# Altium PCB STB_LightBoard.PcbDoc (part 17 of 31)
Units mm, origin at the board's own origin, x right, y up, seen from the top; angles counter-clockwise.
Board outline 348 x 348 mm, 2 copper layers (Top Layer, Bottom Layer), stack 1.672 mm thick; 3807 components, 3391 nets, 11616 pads, 2553 vias.
Unrouted connection lines stored in the file: 68.
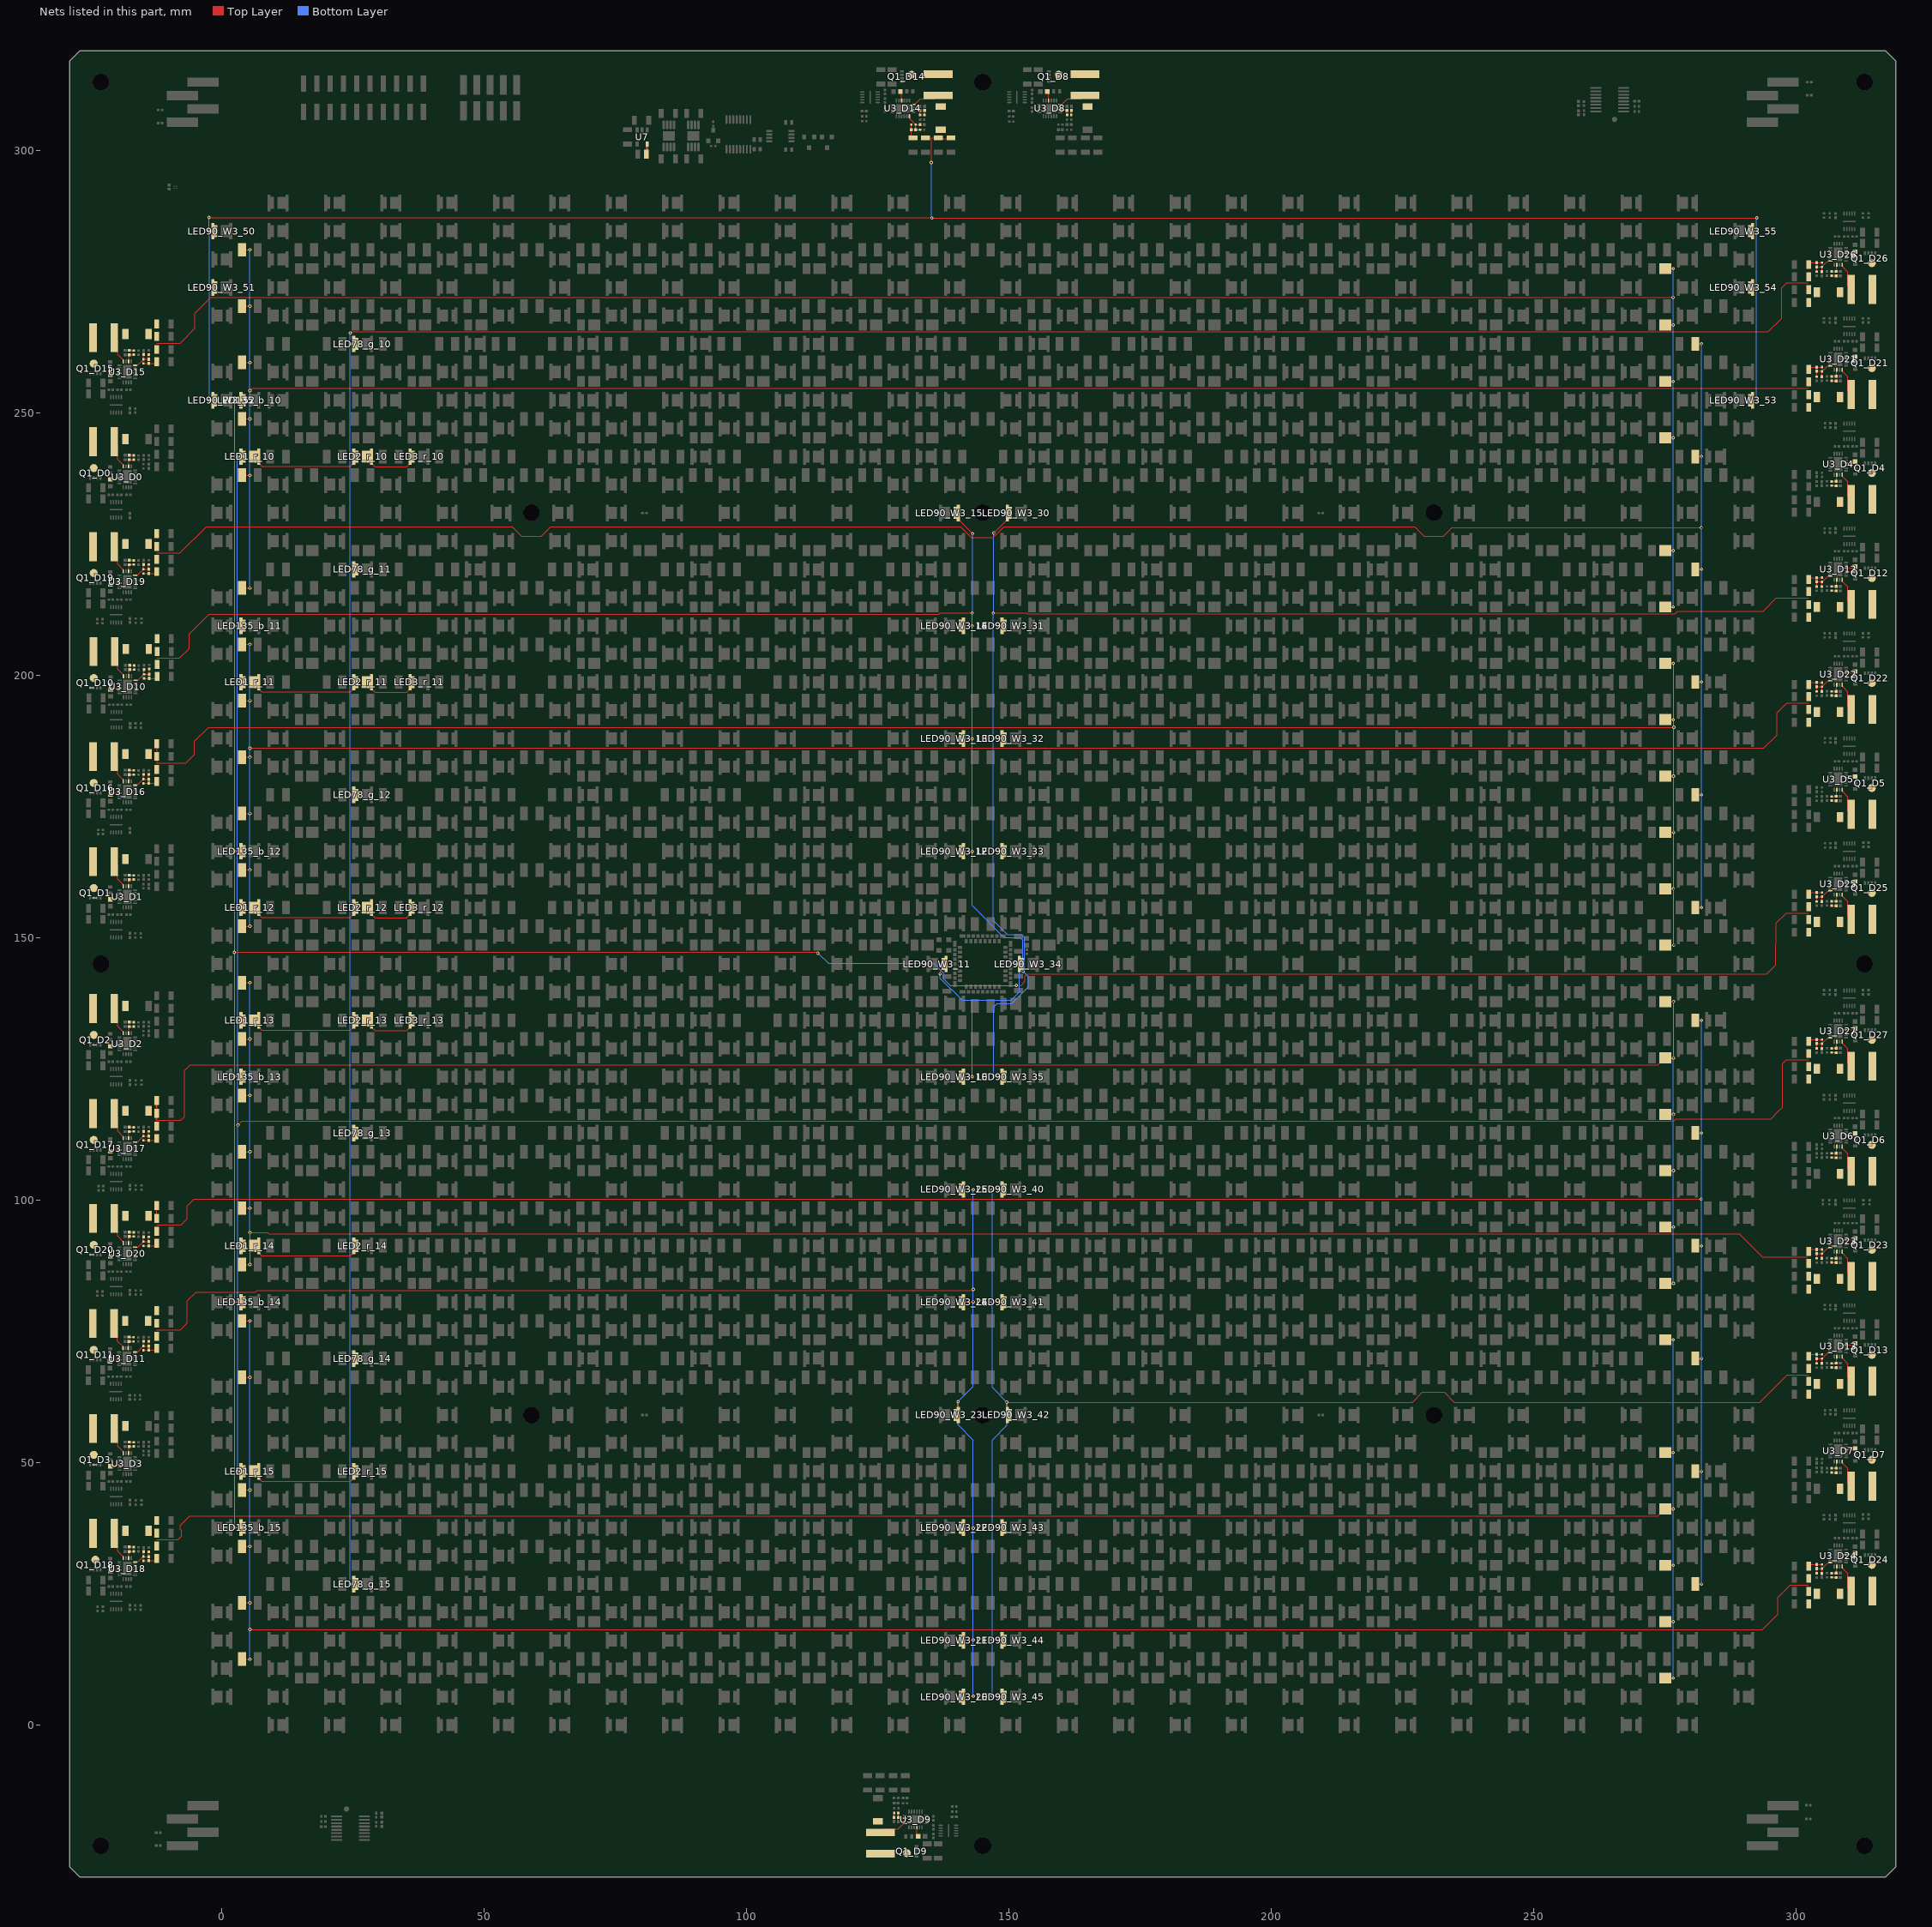
[diagram p17: the nets of this part, all layers, seen from the top]

## Via types
v1: diameter 0.604, hole 0.3, Top Layer to Bottom Layer, tented both sides, 2553 vias

## Nets (pads, with @x,y where several pads share a name; then routed paths per layer and width w, separated by ;. In a path a pad name is that pad's centre, name@x,y a point inside that pad or via, vN(x,y) a via of type N, cw(c..) or ccw(c..) an arc to the next point about the centre after c; other vN are vias at no path point) (continued)
NetC7_D10_1: C7_D10.1 C12_D10.2 R54_D10.1 R55_D10.1 U3_D10.16 | length 5.2
  Top Layer w0.2: U3_D10.16@-16.442,199.05 -16.429,199.063 -15.968,199.063 -14.956,200.075 -14.925,200.075 R54_D10.1@-14.8,200.2 ; C12_D10.2@-14.755,201.155 C12_D10.2@-14.8,201.11 R54_D10.1@-14.8,200.2 ; R55_D10.1@-13.845,201.155 R55_D10.1@-13.8,201.2 C7_D10.1@-13.8,200.19 -13.805,200.195 -14.795,200.195 R54_D10.1@-14.8,200.2
NetC7_D10_2: C7_D10.2 C8_D10.1 C9_D10.1 C10_D10.1 C11_D10.1 D1_D10.1 LED90_W3_10.2 LED90_W3_11.2 LED90_W3_12.2 LED90_W3_13.2 LED90_W3_14.2 LED90_W3_15.2 R54_D10.2 | length 306.6
  Top Layer w0.2: R54_D10.2@-14.8,199.4 -12.66,199.4 C8_D10.1@-12.307,199.753 ; -12.344,203.286 -8.014,203.286 -6.185,205.115 -6.185,207.854 -2.447,211.592 7.494,211.592 7.564,211.662 136.647,211.662 136.839,211.853 v1(143,211.853) ; C11_D10.1@-12.307,206.953 C11_D10.1@-12.307,207.341 ; v1(136.864,143.103) 136.941,143.181 136.941,143.633 137.443,144.135 LED90_W3_11.2@137.443,144.99 ; LED90_W3_15.2@139.743,230.91 139.938,230.715 140.133,230.715 140.333,230.515 140.333,229.435 140.616,229.435 v1(143.09,226.961) ; LED90_W3_10.2@140.743,123.51 LED90_W3_10.2@141.333,123.51 141.343,123.5 v1(143,123.5) ; LED90_W3_12.2@140.743,166.47 LED90_W3_12.2@141.333,166.47 141.403,166.4 v1(143,166.4) ; LED90_W3_13.2@140.743,187.95 LED90_W3_13.2@141.333,187.95 141.383,187.9 v1(143,187.9) ; LED90_W3_14.2@140.743,209.43 LED90_W3_14.2@141.333,209.43 141.363,209.4 v1(143,209.4)
  Bottom Layer w0.2: v1(136.864,143.103) 136.91,143.057 136.91,142.263 141.081,138.093 142.983,138.093 143.017,138.126 150.426,138.126 151.982,139.682 151.982,143.886 152.647,144.551 152.647,149.494 152.08,150.061 149.064,150.061 143,156.124 v1(143,166.4) v1(143,187.9) v1(143,209.4) v1(143,211.853) 143.045,211.898 143.045,226.916 v1(143.09,226.961) ; v1@142.995,123.505 142.995,138.056
NetC7_D11_1: C7_D11.1 C12_D11.2 R54_D11.1 R55_D11.1 U3_D11.16 | length 4.8
  Top Layer w0.2: U3_D11.16@-16.542,71.05 -16.537,71.055 -16.061,71.055 -15.041,72.075 -15.025,72.075 R54_D11.1@-14.992,72.108 ; C12_D11.2@-14.9,73.11 R54_D11.1@-14.9,72.2 -14.895,72.195 -13.905,72.195 C7_D11.1@-13.9,72.19 R55_D11.1@-13.9,73.1
NetC7_D11_2: C7_D11.2 C8_D11.1 C9_D11.1 C10_D11.1 C11_D11.1 D1_D11.1 LED90_W3_20.2 LED90_W3_21.2 LED90_W3_22.2 LED90_W3_23.2 LED90_W3_24.2 LED90_W3_25.2 R54_D11.2 | length 278.2
  Top Layer w0.2: R54_D11.2@-14.9,71.4 -14.895,71.405 -13.905,71.405 C7_D11.2@-13.9,71.41 -12.583,71.41 C8_D11.1@-12.457,71.283 ; -12.444,75.286 -7.914,75.286 -6.6,76.6 -6.6,80.799 -4.899,82.5 6.4,82.5 6.7,82.8 142.873,82.8 143.075,83.002 v1(143.2,83.002) v1(143.2,83.002) ; C11_D11.1@-12.406,78.953 C11_D11.1@-12.406,79.484 ; v1(140.3,61.6) 140.3,59.103 LED90_W3_23.2@140.333,59.07 ; LED90_W3_20.2@140.743,5.37 LED90_W3_20.2@141.333,5.37 141.463,5.5 v1(143.2,5.5) ; LED90_W3_21.2@140.743,16.11 LED90_W3_21.2@141.333,16.11 141.423,16.2 v1(143.2,16.2) ; LED90_W3_22.2@140.743,37.59 LED90_W3_22.2@141.333,37.59 141.423,37.5 v1(143.2,37.5) ; LED90_W3_24.2@140.743,80.55 LED90_W3_24.2@141.333,80.55 141.383,80.6 v1(143.2,80.6) ; LED90_W3_25.2@140.743,102.03 LED90_W3_25.2@141.333,102.03 141.363,102 v1(143.2,102)
  Bottom Layer w0.2: v1(143.2,5.5) v1(143.2,16.2) v1(143.2,37.5) 143.2,54.3 140.3,57.2 v1(140.3,61.6) 143.2,64.5 v1(143.2,80.6) v1(143.2,83.002) v1(143.2,102)
NetC7_D12_1: C7_D12.1 C12_D12.2 R54_D12.1 R55_D12.1 U3_D12.16 | length 5.1
  Top Layer w0.2: R55_D12.1@303.9,216.9 C7_D12.1@303.9,217.81 303.905,217.805 R54_D12.1@304.895,217.805 ; C12_D12.2@304.9,216.89 R54_D12.1@304.9,217.8 R54_D12.1@304.895,217.805 ; U3_D12.16@306.5,218.95 306.481,218.931 306.081,218.931 305.075,217.925 R54_D12.1@305.015,217.925 ; R54_D12.1@304.895,217.805 R54_D12.1@305.015,217.925 ; R54_D12.1@304.895,217.805 R54_D12.1@305.015,217.925
NetC7_D12_2: C7_D12.2 C8_D12.1 C9_D12.1 C10_D12.1 C11_D12.1 D1_D12.1 LED90_W3_30.2 LED90_W3_31.2 LED90_W3_32.2 LED90_W3_33.2 LED90_W3_34.2 LED90_W3_35.2 R54_D12.2 | length 287.2
  Top Layer w0.2: v1(147,166.5) 148.644,166.5 LED90_W3_33.2@148.674,166.47 LED90_W3_33.2@149.264,166.47 ; v1(147,209.5) 148.604,209.5 LED90_W3_31.2@148.674,209.43 LED90_W3_31.2@149.264,209.43 ; v1(147,211.853) 153.392,211.853 153.527,211.718 276.918,211.718 277.397,212.197 293.697,212.197 296.214,214.714 302.402,214.714 ; v1(147.05,187.95) LED90_W3_32.2@148.674,187.95 LED90_W3_32.2@149.264,187.95 ; v1(147.1,123.6) 148.584,123.6 LED90_W3_35.2@148.674,123.51 LED90_W3_35.2@149.264,123.51 ; v1(147.1,227.1) 149.435,229.435 149.474,229.435 149.674,229.635 149.674,229.841 149.874,230.041 LED90_W3_30.2@150.041,230.041 ; LED90_W3_34.2@151.974,145.05 152.505,145.05 LED90_W3_34.2@152.564,144.99 ; LED90_W3_34.2@152.505,145 152.633,144.872 152.633,143.661 v1(152.701,143.592) ; C8_D12.1@302.364,218.247 302.718,218.6 R54_D12.2@304.9,218.6
  Bottom Layer w0.2: v1(147.1,123.6) 147.1,136.79 147.713,137.403 150.503,137.403 153.7,140.6 153.7,142.593 v1(152.701,143.592) ; v1(147.1,227.1) 147.05,227.05 147.05,211.903 v1(147,211.853) v1(147,209.5) 147,187.95 v1(147,166.5) 147,153.3 149.7,150.6 152.395,150.6 152.999,149.997 152.999,143.912 v1@152.701,143.614
NetC7_D13_1: C7_D13.1 C12_D13.2 R54_D13.1 R55_D13.1 U3_D13.16 | length 4.9
  Top Layer w0.2: R55_D13.1@303.9,68.9 C7_D13.1@303.9,69.81 303.905,69.805 304.895,69.805 R54_D13.1@304.9,69.8 ; C12_D13.2@304.9,68.89 R54_D13.1@304.9,69.8 ; U3_D13.16@306.5,70.95 306.481,70.931 306.078,70.931 305.072,69.925 305.025,69.925 R54_D13.1@304.9,69.8
NetC7_D13_2: C7_D13.2 C8_D13.1 C9_D13.1 C10_D13.1 C11_D13.1 D1_D13.1 LED90_W3_40.2 LED90_W3_41.2 LED90_W3_42.2 LED90_W3_43.2 LED90_W3_44.2 LED90_W3_45.2 R54_D13.2 | length 272.5
  Top Layer w0.2: v1(146.8,5.5) 148.544,5.5 LED90_W3_45.2@148.674,5.37 LED90_W3_45.2@149.264,5.37 ; v1(146.8,16.2) LED90_W3_44.2@148.584,16.2 ; v1(146.8,37.5) 148.574,37.5 LED90_W3_43.2@148.674,37.6 ; v1(146.8,80.6) 146.85,80.55 LED90_W3_41.2@148.674,80.55 ; v1(146.8,102) 148.644,102 LED90_W3_40.2@148.674,102.03 LED90_W3_40.2@149.264,102.03 ; LED90_W3_43.2@148.669,37.595 LED90_W3_43.2@148.674,37.6 ; LED90_W3_43.2@149.264,37.59 149.254,37.6 LED90_W3_43.2@148.674,37.6 ; LED90_W3_42.2@149.674,59.07 149.6,59.144 v1(149.6,61.5) 226.909,61.5 228.809,63.4 232.947,63.4 234.84,61.507 293.107,61.507 298.314,66.714 302.402,66.714 ; C11_D13.1@302.364,62.516 C11_D13.1@302.364,63.047 ; C9_D13.1@302.364,67.929 C9_D13.1@302.575,68.14 ; C8_D13.1@302.364,70.247 302.718,70.6 R54_D13.2@304.9,70.6
  Bottom Layer w0.2: v1(146.8,5.5) v1(146.8,16.2) v1(146.8,37.5) 146.8,54.3 149.6,57.1 v1(149.6,61.5) 146.8,64.3 v1(146.8,80.6) v1(146.8,102)
NetC7_D14_1: C7_D14.1 C12_D14.2 R54_D14.1 R55_D14.1 U3_D14.16 | length 4.9
  Top Layer w0.2: U3_D14.16@131.05,306.5 131.069,306.481 131.069,306.081 132.088,305.062 132.088,305.05 R54_D14.1@132.201,304.937 ; R55_D14.1@133.06,303.925 C7_D14.1@132.34,303.925 ; C12_D14.2@133.07,304.925 R54_D14.1@132.213,304.925 132.197,304.909 C7_D14.1@132.197,304.069 ; C7_D14.1@132.197,304.069 C7_D14.1@132.34,303.925 ; C7_D14.1@132.197,304.069 C7_D14.1@132.34,303.925 ; R54_D14.1@132.201,304.937 132.213,304.937 R54_D14.1@132.201,304.937
NetC7_D14_2: C7_D14.2 C8_D14.1 C9_D14.1 C10_D14.1 C11_D14.1 D1_D14.1 LED90_W3_50.2 LED90_W3_51.2 LED90_W3_52.2 LED90_W3_53.2 LED90_W3_54.2 LED90_W3_55.2 R54_D14.2 | length 408.4
  Top Layer w0.2: v1(-2.418,287.217) -2.359,287.159 135.241,287.159 v1(135.3,287.1) 135.321,287.121 292.474,287.121 v1(292.495,287.142) ; v1(-2.4,284.6) -1.71,284.6 LED90_W3_50.2@-1.7,284.61 ; v1(-2.364,252.435) -1.745,252.435 LED90_W3_52.2@-1.7,252.39 ; C8_D14.1@131.753,302.365 131.589,302.365 C8_D14.1@131.413,302.541 ; C9_D14.1@133.86,302.575 C9_D14.1@134.071,302.365 ; v1(135.204,297.693) 135.204,302.365 135.352,302.365 C10_D14.1@136.543,302.365 ; C10_D14.1@136.543,302.29 137.457,302.29 ; C10_D14.1@137.265,302.03 137.457,302.222 C11_D14.1@138.244,302.222 ; C11_D14.1@138.244,302.29 C11_D14.1@138.953,302.29 ; C11_D14.1@138.953,302.222 139.367,302.222 139.442,302.222 139.51,302.29 C11_D14.1@139.367,302.29 ; C11_D14.1@138.953,302.365 C11_D14.1@139.367,302.365 ; LED90_W3_54.2@291.117,273.87 LED90_W3_54.2@291.707,273.87 291.777,273.8 v1(292.4,273.8) ; LED90_W3_55.2@291.117,284.61 LED90_W3_55.2@291.707,284.61 v1(292.39,284.61) ; LED90_W3_53.2@291.707,252.39 LED90_W3_53.2@291.117,252.39 LED90_W3_53.2@291.127,252.4 ; C8_D14.1@131.413,302.541 R54_D14.2@131.413,304.925 C8_D14.1@131.413,302.541 ; LED90_W3_53.2@291.127,252.4 v1(292.4,252.4) LED90_W3_53.2@291.127,252.4
  Bottom Layer w0.2: v1(-2.418,287.217) -2.409,287.208 -2.409,284.609 v1@-2.35,284.55 ; v1(-2.364,252.435) -2.332,252.467 -2.332,273.782 v1@-2.35,273.8 ; v1(135.204,297.693) 135.252,297.645 135.252,287.148 v1(135.3,287.1) ; v1@292.39,252.39 v1(292.4,252.4) v1(292.4,273.8) 292.395,273.805 292.395,284.605 v1(292.39,284.61) 292.443,284.663 292.443,287.089 v1(292.495,287.142) ; v1@-2.35,273.8 v1@-2.35,284.55 ; v1@-2.35,273.8 v1@-2.35,284.55
  other v1: -2.3,273.8
NetC7_D15_1: C7_D15.1 C12_D15.2 R54_D15.1 R55_D15.1 U3_D15.16 | length 4.9
  Top Layer w0.2: U3_D15.16@-16.5,259.05 -16.481,259.069 -16.04,259.069 -15.034,260.075 -15.025,260.075 R54_D15.1@-14.9,260.2 ; C12_D15.2@-14.895,261.105 C12_D15.2@-14.9,261.11 R54_D15.1@-14.9,260.2 ; R55_D15.1@-13.905,261.105 R55_D15.1@-13.9,261.1 C7_D15.1@-13.9,260.19 -13.905,260.195 -14.895,260.195 R54_D15.1@-14.9,260.2
NetC7_D15_2: C7_D15.2 C8_D15.1 C9_D15.1 C10_D15.1 C11_D15.1 D1_D15.1 LED43_IR740_10.2 LED43_IR740_11.2 LED43_IR740_12.2 LED43_IR740_13.2 LED43_IR740_14.2 LED43_IR740_15.2 R54_D15.2 | length 371.2
  Top Layer w0.2: R54_D15.2@-14.9,259.4 -14.895,259.405 -13.905,259.405 C7_D15.2@-13.9,259.41 -12.541,259.41 -12.364,259.586 C8_D15.1@-12.364,259.753 ; C9_D15.1@-12.575,261.861 C9_D15.1@-12.364,262.071 ; -12.402,263.286 -7.914,263.286 -5.1,266.1 -5.1,269 -2.1,272 276.531,272 v1(276.539,272.008) ; C11_D15.1@-12.364,266.953 C11_D15.1@-12.364,267.341 ; LED43_IR740_10.2@275.058,213.02 v1(276.562,213.02) ; LED43_IR740_11.2@275.058,223.761 v1(276.562,223.761) ; LED43_IR740_12.2@275.058,245.243 v1(276.562,245.243) ; LED43_IR740_13.2@275.058,255.984 v1(276.562,255.984) ; LED43_IR740_14.2@275.058,266.725 v1(276.562,266.725) ; LED43_IR740_15.2@275.058,277.466 v1(276.562,277.466)
  Bottom Layer w0.2: v1(276.562,213.02) v1(276.562,223.761) v1(276.562,245.243) v1(276.562,255.984) v1(276.562,266.725) 276.551,266.736 276.551,271.997 v1(276.539,272.008) 276.551,272.019 276.551,277.455 v1(276.562,277.466)
NetC7_D16_1: C7_D16.1 C12_D16.2 R54_D16.1 R55_D16.1 U3_D16.16 | length 4.9
  Top Layer w0.2: U3_D16.16@-16.5,179.05 -16.481,179.069 -16.047,179.069 -15.041,180.075 -15.025,180.075 R54_D16.1@-14.9,180.2 ; C12_D16.2@-14.9,181.11 R54_D16.1@-14.9,180.2 ; R55_D16.1@-13.9,181.1 -13.9,180.2 -13.905,180.195 -14.895,180.195 R54_D16.1@-14.9,180.2
NetC7_D16_2: C7_D16.2 C8_D16.1 C9_D16.1 C10_D16.1 C11_D16.1 D1_D16.1 LED43_IR740_20.2 LED43_IR740_21.2 LED43_IR740_22.2 LED43_IR740_23.2 LED43_IR740_24.2 LED43_IR740_25.2 R54_D16.2 | length 421.2
  Top Layer w0.2: R54_D16.2@-14.9,179.4 -14.895,179.405 -13.905,179.405 C7_D16.2@-13.9,179.41 -12.541,179.41 -12.364,179.586 C8_D16.1@-12.364,179.753 ; C9_D16.1@-12.575,181.861 C9_D16.1@-12.364,182.071 ; -12.402,183.286 -6.814,183.286 -5.2,184.9 -5.2,187.4 -2.52,190.08 276.48,190.08 276.5,190.1 v1(276.7,190.1) ; C11_D16.1@-12.364,186.953 C11_D16.1@-12.364,187.367 ; C11_D16.1@-12.29,187.367 -12.29,187.499 -12.233,187.499 -12.04,187.692 C11_D16.1@-12.04,187.75 ; LED43_IR740_20.2@275.058,148.574 v1(276.674,148.574) ; LED43_IR740_21.2@275.058,159.315 v1(276.585,159.315) ; LED43_IR740_22.2@275.058,170.056 v1(276.644,170.056) ; LED43_IR740_23.2@275.058,180.797 v1(276.609,180.797) ; LED43_IR740_24.2@275.058,191.538 v1(276.562,191.538) ; LED43_IR740_25.2@275.058,202.279 v1(276.562,202.279) ; -12.29,183.352 -12.29,186.953 -12.29,183.352
  Bottom Layer w0.2: v1(276.562,202.279) v1@276.618,202.223 ; v1(276.674,148.574) v1@276.618,148.63 ; v1@276.618,148.63 v1@276.618,202.223 ; v1@276.618,148.63 276.618,159.315 v1@276.618,202.223
NetC7_D17_1: C7_D17.1 C12_D17.2 R54_D17.1 R55_D17.1 U3_D17.16 | length 4.9
  Top Layer w0.2: U3_D17.16@-16.5,111.05 -16.482,111.068 -16.032,111.068 -15.377,111.723 -15.377,111.729 -15.229,111.877 -15.223,111.877 R54_D17.1@-14.9,112.2 ; C12_D17.2@-14.9,113.11 -14.895,113.105 -14.9,113.1 R54_D17.1@-14.9,112.2 ; R55_D17.1@-13.9,113.1 C7_D17.1@-13.9,112.19 -13.905,112.195 -14.895,112.195 R54_D17.1@-14.9,112.2
NetC7_D17_2: C7_D17.2 C8_D17.1 C9_D17.1 C10_D17.1 C11_D17.1 D1_D17.1 LED43_IR740_30.2 LED43_IR740_31.2 LED43_IR740_32.2 LED43_IR740_33.2 LED43_IR740_34.2 LED43_IR740_35.2 R54_D17.2 | length 382.5
  Top Layer w0.2: C9_D17.1@-12.575,113.86 C9_D17.1@-12.364,114.071 ; C8_D17.1@-12.364,111.753 C8_D17.1@-12.718,111.4 ; C11_D17.1@-12.04,119.735 -12.04,119.692 -12.247,119.485 C11_D17.1@-12.29,119.485 ; LED43_IR740_30.2@275.058,84.128 v1(276.608,84.128) ; LED43_IR740_31.2@275.058,94.869 v1(276.608,94.869) ; LED43_IR740_32.2@275.058,105.61 v1(276.608,105.61) ; LED43_IR740_33.2@275.058,116.351 v1(276.608,116.351) ; LED43_IR740_35.2@275.058,137.833 v1(276.633,137.833) ; v1(276.608,127.092) LED43_IR740_34.2@275.058,127.092 274.932,127.092 273.613,125.772 -6.003,125.772 -7.114,124.661 -7.114,115.886 -7.8,115.2 -12.5,115.2 ; C8_D17.1@-12.718,111.4 R54_D17.2@-14.9,111.4 C8_D17.1@-12.718,111.4 ; -12.5,115.2 -12.5,119.232 -12.5,115.2 ; C11_D17.1@-12.29,119.485 -12.29,115.352 C11_D17.1@-12.29,119.485
  Bottom Layer w0.2: v1(276.608,84.128) v1(276.608,94.869) v1(276.608,105.61) v1(276.608,116.351) v1(276.608,127.092) 276.621,127.105 276.621,137.821 v1(276.633,137.833)
NetC7_D18_1: C7_D18.1 C12_D18.2 R54_D18.1 R55_D18.1 U3_D18.16 | length 4.9
  Top Layer w0.2: U3_D18.16@-16.499,31.051 -16.014,31.051 -15.09,31.975 -15.025,31.975 R54_D18.1@-14.9,32.1 ; C12_D18.2@-14.9,33.01 R54_D18.1@-14.9,32.1 ; R55_D18.1@-13.9,33 C7_D18.1@-13.9,32.09 -13.905,32.095 -14.895,32.095 R54_D18.1@-14.9,32.1
NetC7_D18_2: C7_D18.2 C8_D18.1 C9_D18.1 C10_D18.1 C11_D18.1 D1_D18.1 LED43_IR740_40.2 LED43_IR740_41.2 LED43_IR740_42.2 LED43_IR740_43.2 LED43_IR740_44.2 LED43_IR740_45.2 R54_D18.2 | length 370.3
  Top Layer w0.2: C9_D18.1@-12.575,33.861 C9_D18.1@-12.364,34.071 ; -12.402,35.286 -8.314,35.286 -7.628,35.972 -7.628,37.035 -7.915,37.322 -7.915,38.023 -6.093,39.846 -5.046,39.846 273.614,39.846 274.932,41.164 LED43_IR740_43.2@275.058,41.164 v1(276.562,41.164) ; C8_D18.1@-12.364,31.753 -12.364,31.662 C8_D18.1@-12.727,31.3 ; C11_D18.1@-12.364,38.953 C11_D18.1@-12.364,39.341 ; LED43_IR740_40.2@275.058,8.941 v1(276.562,8.941) ; LED43_IR740_41.2@275.058,19.682 v1(276.562,19.682) ; LED43_IR740_42.2@275.058,30.423 v1(276.562,30.423) ; LED43_IR740_44.2@275.058,51.905 v1(276.562,51.905) ; LED43_IR740_45.2@275.058,73.387 v1(276.562,73.387) ; C8_D18.1@-12.727,31.3 R54_D18.2@-14.9,31.3 C8_D18.1@-12.727,31.3
  Bottom Layer w0.2: v1(276.562,8.941) v1(276.562,19.682) v1(276.562,30.423) v1@276.562,40.962 ; v1(276.562,41.164) v1(276.562,51.905) v1@276.562,73.287
NetC7_D19_1: C7_D19.1 C12_D19.2 R54_D19.1 R55_D19.1 U3_D19.16 | length 4.9
  Top Layer w0.2: U3_D19.16@-16.5,219.05 -16.481,219.069 -16.096,219.069 -15.09,220.075 -15.025,220.075 R54_D19.1@-14.9,220.2 ; C12_D19.2@-14.9,221.11 R54_D19.1@-14.9,220.2 ; R55_D19.1@-13.9,221.1 C7_D19.1@-13.9,220.19 -13.905,220.195 -14.895,220.195 R54_D19.1@-14.9,220.2
NetC7_D19_2: C7_D19.2 C8_D19.1 C9_D19.1 C10_D19.1 C11_D19.1 D1_D19.1 LED104_IR850_10.2 LED104_IR850_11.2 LED104_IR850_12.2 LED104_IR850_13.2 LED104_IR850_14.2 LED104_IR850_15.2 R54_D19.2 | length 419.3
  Top Layer w0.2: R54_D19.2@-14.9,219.4 -14.895,219.405 -13.905,219.405 C7_D19.2@-13.9,219.41 -12.541,219.41 -12.364,219.586 C8_D19.1@-12.364,219.753 ; C9_D19.1@-12.575,221.86 C9_D19.1@-12.364,222.071 ; -12.402,223.286 -7.958,223.286 -2.943,228.3 55.3,228.3 57.1,226.5 60.9,226.5 62.7,228.3 140.817,228.3 142.871,226.246 147.029,226.246 149.083,228.3 227.3,228.3 229.1,226.5 232.8,226.5 234.4,228.1 v1(281.9,228.1) ; C11_D19.1@-12.364,226.953 -12.311,226.9 C11_D19.1@-12.311,227.537 ; LED104_IR850_10.2@280.766,155.744 v1(281.954,155.744) ; LED104_IR850_11.2@280.766,177.226 v1(281.954,177.226) ; LED104_IR850_12.2@280.766,198.708 v1(281.954,198.708) ; LED104_IR850_13.2@280.766,220.19 v1(281.954,220.19) ; LED104_IR850_14.2@280.766,241.672 v1(281.954,241.672) ; LED104_IR850_15.2@280.766,263.154 v1(281.954,263.154)
  Bottom Layer w0.2: v1(281.954,155.744) v1(281.954,177.226) v1(281.954,198.708) v1(281.954,220.19) v1(281.954,241.672) v1(281.954,263.154)
NetC7_D20_1: C7_D20.1 C12_D20.2 R54_D20.1 R55_D20.1 U3_D20.16 | length 4.8
  Top Layer w0.2: U3_D20.16@-16.5,91.05 -15.956,91.05 -15.229,91.777 -15.223,91.777 R54_D20.1@-14.9,92.1 ; C12_D20.2@-14.9,93.01 R54_D20.1@-14.9,92.1 ; R55_D20.1@-13.9,93 -13.9,92.1 -13.905,92.095 -14.895,92.095 R54_D20.1@-14.9,92.1
NetC7_D20_2: C7_D20.2 C8_D20.1 C9_D20.1 C10_D20.1 C11_D20.1 D1_D20.1 LED104_IR850_20.2 LED104_IR850_21.2 LED104_IR850_22.2 LED104_IR850_23.2 LED104_IR850_24.2 LED104_IR850_25.2 R54_D20.2 | length 442.2
  Top Layer w0.2: C9_D20.1@-12.575,93.86 C9_D20.1@-12.364,94.071 ; -12.402,95.286 -7.714,95.286 -6.6,96.4 -6.6,98.9 -5.3,100.2 v1(281.9,100.2) ; C8_D20.1@-12.364,91.753 -12.364,91.476 C8_D20.1@-12.541,91.3 ; C10_D20.1@-12.364,96.543 C11_D20.1@-12.364,98.953 C11_D20.1@-12.364,99.336 ; LED104_IR850_20.2@280.766,26.852 v1(281.954,26.852) ; LED104_IR850_21.2@280.766,48.334 v1(281.954,48.334) ; LED104_IR850_22.2@280.766,69.816 v1(281.954,69.816) ; LED104_IR850_23.2@280.766,91.298 v1(281.954,91.298) ; LED104_IR850_24.2@280.766,112.78 v1(281.954,112.78) ; LED104_IR850_25.2@280.766,134.262 v1(281.954,134.262) ; C8_D20.1@-12.541,91.3 R54_D20.2@-14.9,91.3 C8_D20.1@-12.541,91.3
  Bottom Layer w0.2: v1(281.954,26.852) 281.954,28.462 281.946,28.471 281.946,38.305 281.954,38.313 v1(281.954,69.816) v1(281.954,91.298) ; v1(281.954,134.262) v1(281.954,112.78) ; v1(281.954,91.298) v1(281.954,112.78) ; v1(281.954,91.298) v1(281.954,112.78)
NetC7_D21_1: C7_D21.1 C12_D21.2 R54_D21.1 R55_D21.1 U3_D21.16 | length 5.1
  Top Layer w0.2: R55_D21.1@303.9,256.9 C7_D21.1@303.9,257.91 303.905,257.905 304.895,257.905 R54_D21.1@304.9,257.9 ; C12_D21.2@304.9,256.89 R54_D21.1@304.9,257.9 ; U3_D21.16@306.5,258.95 306.004,258.95 305.079,258.025 305.025,258.025 R54_D21.1@304.9,257.9
NetC7_D21_2: C7_D21.2 C8_D21.1 C9_D21.1 C10_D21.1 C11_D21.1 D1_D21.1 LED15_IR940_10.2 LED15_IR940_11.2 LED15_IR940_12.2 LED15_IR940_13.2 LED15_IR940_14.2 LED15_IR940_15.2 R54_D21.2 | length 376.3
  Top Layer w0.2: LED15_IR940_15.2@3.87,216.62 v1(5.37,216.62) ; LED15_IR940_14.2@3.87,238.102 v1(5.37,238.102) ; LED15_IR940_13.2@3.87,248.843 v1(5.37,248.843) ; LED15_IR940_12.2@3.87,259.584 v1(5.37,259.584) ; LED15_IR940_11.2@3.87,270.325 v1(5.37,270.325) ; LED15_IR940_10.2@3.87,281.066 v1(5.37,281.066) ; v1(5.37,254.214) 5.839,254.682 302.314,254.682 302.348,254.648 ; C11_D21.1@302.364,250.659 C11_D21.1@302.364,251.047 ; C8_D21.1@302.364,258.247 302.364,258.524 C8_D21.1@302.541,258.7 ; C8_D21.1@302.541,258.7 R54_D21.2@304.9,258.7 C8_D21.1@302.541,258.7
  Bottom Layer w0.2: v1(5.37,216.62) v1(5.37,238.102) v1(5.37,248.843) v1(5.37,254.214) v1(5.37,259.584) v1(5.37,270.325) v1(5.37,281.066)
NetC7_D22_1: C7_D22.1 C12_D22.2 R54_D22.1 R55_D22.1 U3_D22.16 | length 4.9
  Top Layer w0.2: R55_D22.1@303.9,196.9 C7_D22.1@303.9,197.82 303.91,197.81 304.89,197.81 R54_D22.1@304.9,197.8 ; C12_D22.2@304.9,196.89 R54_D22.1@304.9,197.8 ; U3_D22.16@306.5,198.95 306.481,198.931 306.055,198.931 305.069,197.944 305.044,197.944 R54_D22.1@304.9,197.8
NetC7_D22_2: C7_D22.2 C8_D22.1 C9_D22.1 C10_D22.1 C11_D22.1 D1_D22.1 LED15_IR940_20.2 LED15_IR940_21.2 LED15_IR940_22.2 LED15_IR940_23.2 LED15_IR940_24.2 LED15_IR940_25.2 R54_D22.2 | length 381.7
  Top Layer w0.2: LED15_IR940_25.2@3.87,152.174 v1(5.37,152.174) ; LED15_IR940_24.2@3.87,162.915 v1(5.37,162.915) ; LED15_IR940_23.2@3.87,173.656 v1(5.37,173.656) ; LED15_IR940_22.2@3.87,184.397 v1(5.37,184.397) ; LED15_IR940_21.2@3.87,195.138 v1(5.37,195.138) ; LED15_IR940_20.2@3.87,205.879 v1(5.37,205.879) ; v1(5.4,186.1) 293.8,186.1 296.3,188.6 296.3,192.8 298.214,194.714 302.402,194.714 ; C11_D22.1@302.364,190.659 C11_D22.1@302.364,191.047 ; C8_D22.1@302.364,198.247 C8_D22.1@302.718,198.6 ; C8_D22.1@302.718,198.6 R54_D22.2@304.9,198.6 C8_D22.1@302.718,198.6
  Bottom Layer w0.2: v1(5.37,152.174) v1(5.37,162.915) v1(5.37,173.656) v1(5.37,184.397) ; v1(5.37,205.879) v1(5.37,195.138) ; v1(5.37,184.397) v1(5.37,195.138) ; v1(5.37,184.397) v1(5.37,195.138)
NetC7_D23_1: C7_D23.1 C12_D23.2 R54_D23.1 R55_D23.1 U3_D23.16 | length 4.9